# Altium PCB board.PcbDoc (part 1 of 2) (continued)
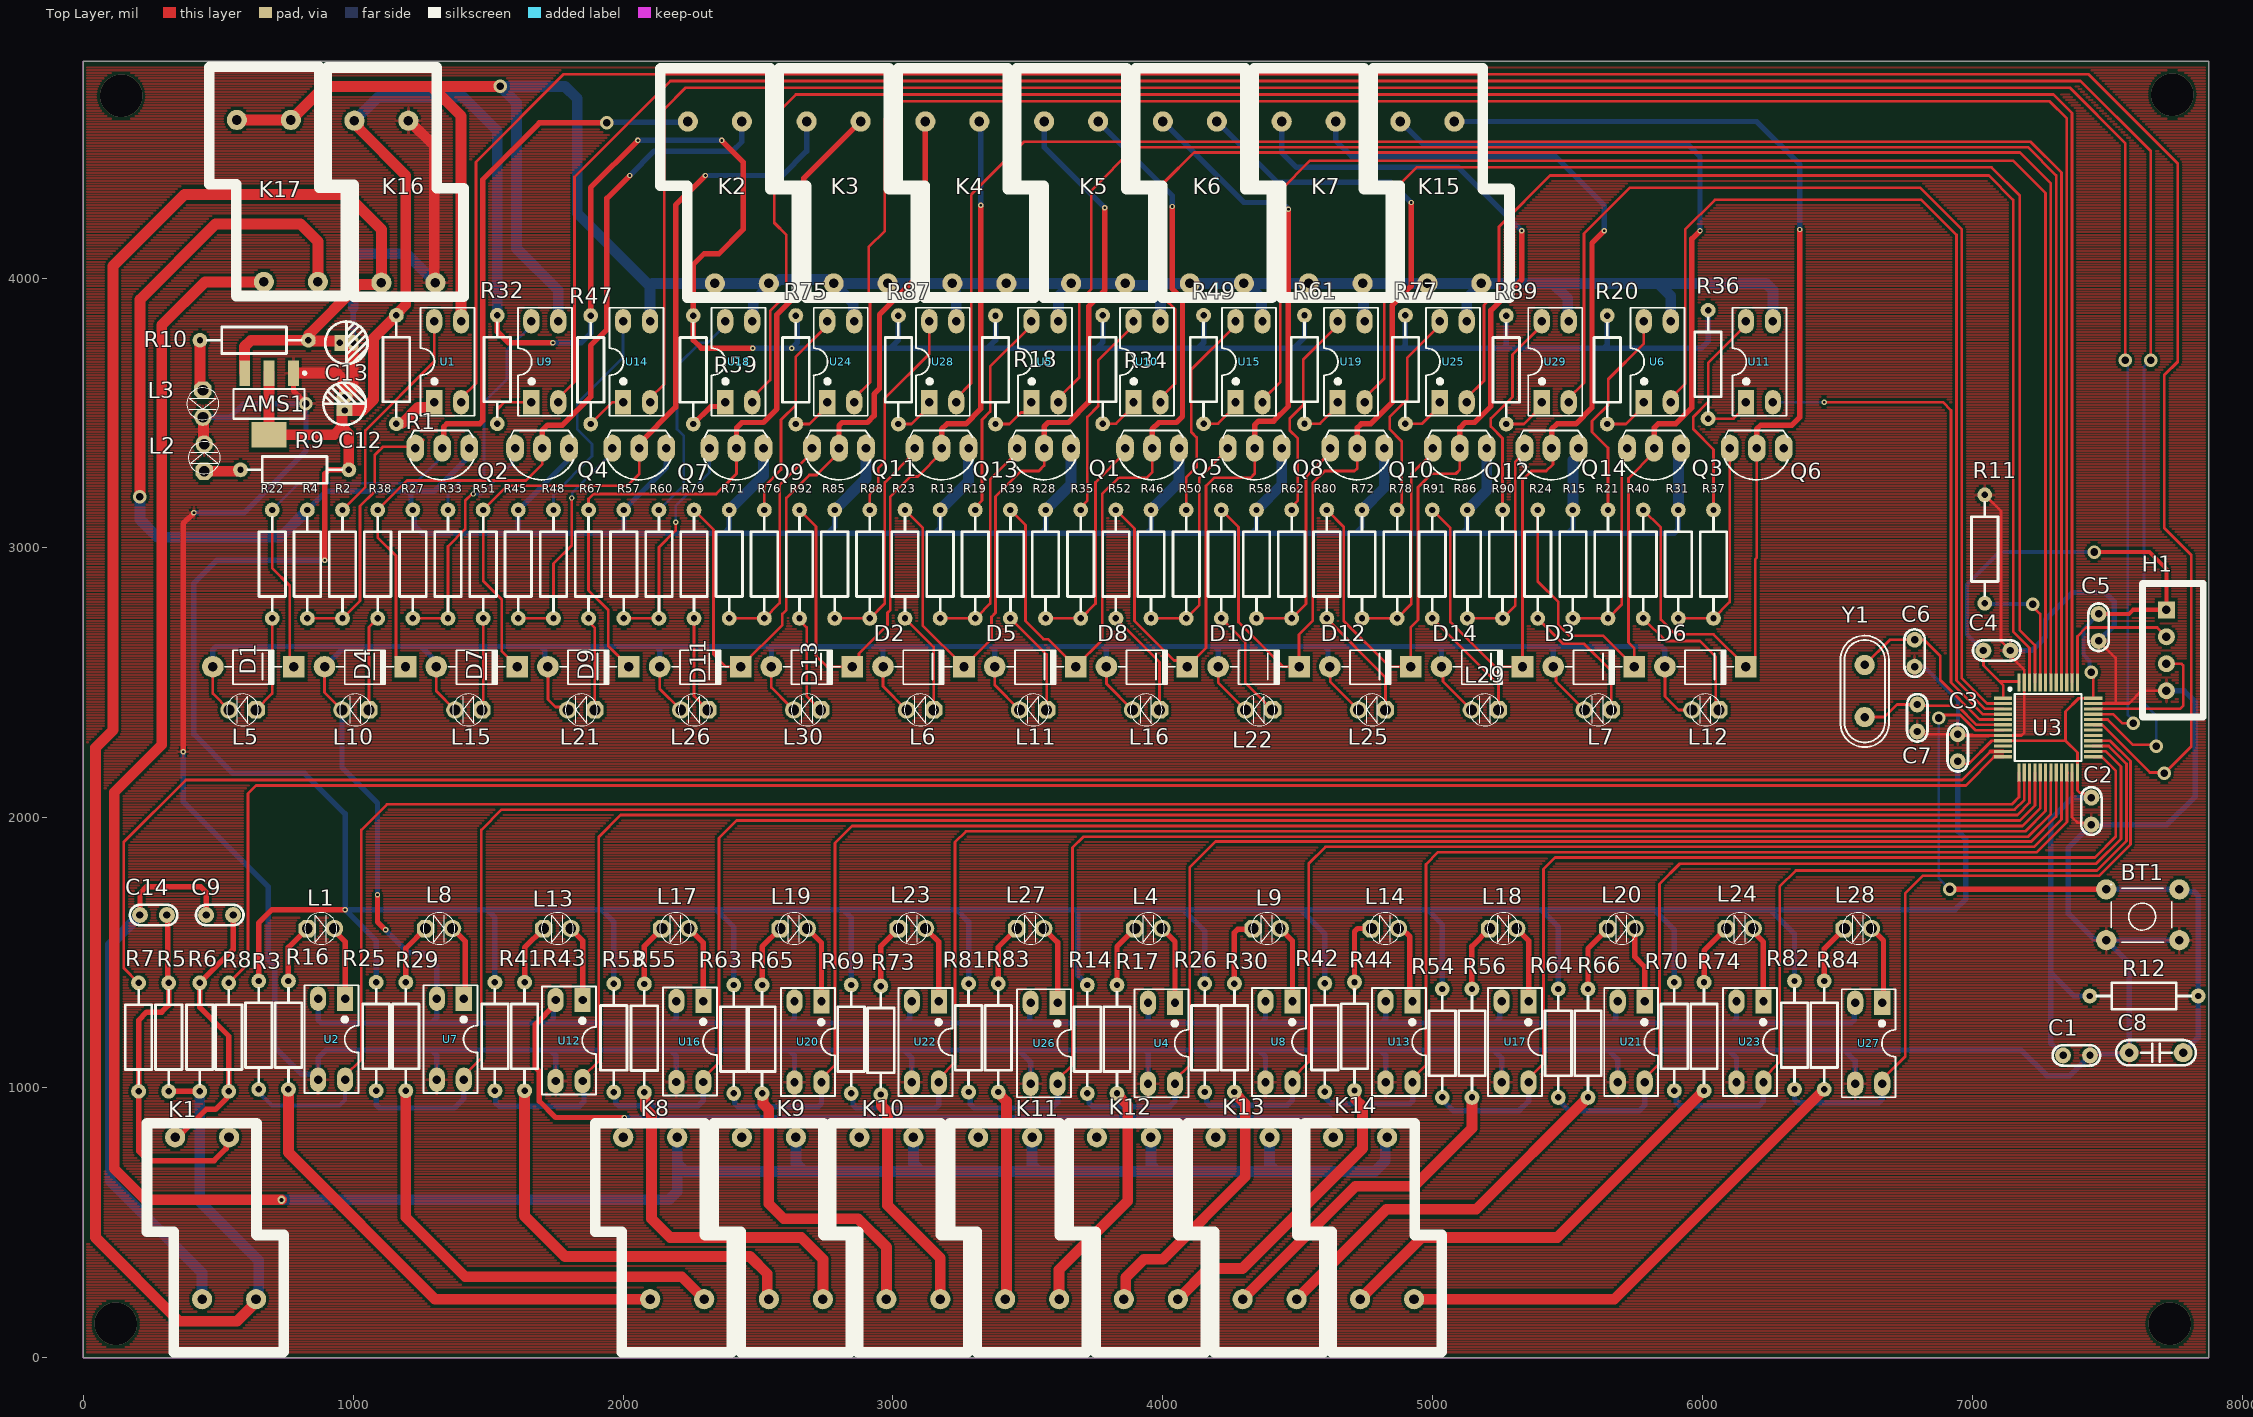
[diagram p0: Top Layer view]
## Components (designator, comment, footprint, x,y, rotation, side; value= is the part's Value field where it differs from the comment) (continued)
R74 "1.8k" "tro vach 1/4w" 6005,1190 r90 top
R75 "470R" "tro vach 1/4w" 2640,3660 r270 top
R76 "10k" "tro vach 1/4w" 2523.41,2940 r270 top
R77 "470R" "tro vach 1/4w" 4898.46,3661.15 r270 top
R78 "10k" "tro vach 1/4w" 4867.8,2940 r270 top
R79 "2.2k" "tro vach 1/4w" 2262.93,2940 r90 top
R80 "2.2k" "tro vach 1/4w" 4607.32,2940 r90 top
R81 "1k" "tro vach 1/4w" 3280,1185 r90 top
R82 "1k" "tro vach 1/4w" 6340,1195 r90 top
R83 "1.8k" "tro vach 1/4w" 3390,1185 r90 top
R84 "1.8k" "tro vach 1/4w" 6450,1195 r90 top
R85 "100k" "tro vach 1/4w" 2783.9,2940 r90 top
R86 "100k" "tro vach 1/4w" 5128.29,2940 r90 top
R87 "470R" "tro vach 1/4w" 3020,3660 r270 top
R88 "10k" "tro vach 1/4w" 2914.15,2940 r270 top
R89 "470R" "tro vach 1/4w" 5272.31,3660 r270 top
R90 "10k" "tro vach 1/4w" 5258.54,2940 r270 top
R91 "2.2k" "tro vach 1/4w" 4998.05,2940 r90 top
R92 "2.2k" "tro vach 1/4w" 2653.66,2940 r90 top
U1 "PC817" DIP4 1300,3540 r0 top
U2 "PC817" DIP4 970,1330 r180 top
U3 "STM32F103C8T6" LQFP-48_19.6_393_58X11_SMD 7280,2335 r0 top
U4 "PC817" DIP4 4045,1315 r180 top
U5 "PC817" DIP4 3512.73,3540 r0 top
U6 "PC817" DIP4 5781.82,3540 r0 top
U7 "PC817" DIP4 1410,1330 r180 top
U8 "PC817" DIP4 4480,1320 r180 top
U9 "PC817" DIP4 1660,3540 r0 top
U10 "PC817" DIP4 3890.91,3540 r0 top
U11 "PC817" DIP4 6160,3540 r0 top
U12 "PC817" DIP4 1850,1325 r180 top
U13 "PC817" DIP4 4925,1320 r180 top
U14 "PC817" DIP4 2000,3540 r0 top
U15 "PC817" DIP4 4269.09,3540 r0 top
U16 "PC817" DIP4 2297.46,1321.19 r180 top
U17 "PC817" DIP4 5355,1320 r180 top
U18 "PC817" DIP4 2378.18,3540 r0 top
U19 "PC817" DIP4 4647.27,3540 r0 top
U20 "PC817" DIP4 2735,1320 r180 top
U21 "PC817" DIP4 5785,1320 r180 top
U22 "PC817" DIP4 3170,1320 r180 top
U23 "PC817" DIP4 6225,1320 r180 top
U24 "PC817" DIP4 2756.36,3540 r0 top
U25 "PC817" DIP4 5025.45,3540 r0 top
U26 "PC817" DIP4 3610,1315 r180 top
U27 "PC817" DIP4 6665,1315 r180 top
U28 "PC817" DIP4 3134.55,3540 r0 top
U29 "PC817" DIP4 5403.64,3540 r0 top
Y1 "8Mhz" "Thach Anh 2 chan cam" 6600,2470 r90 top value=4Mhz

## Footprints (in the part's own frame and the unit in brackets; to place one, negate y for a bottom-side part, rotate by r counter-clockwise, add the part's x,y. Pads: shape width x height; smd on the part's side, far side on the other; paste and mask are expansions set on the pad)
"DIODE 1A" [mil] "Diode 1A"
  round 80 hole 35: 1(-50,0)
  rect 80x80 hole 35: 2(-350,0)
  silkscreen extent -305,-61 -95,65, body extent -366,-61 -34,65, height 122
DIP4 [mil]
  rect 60x90 hole 31: 1(0,0)
  oval 60x90 hole 31: 2(100,0) 3(100,300) 4(0,300)
  silkscreen extent -50,-50 150,350, body extent -59,-10 159,305, height 170
KF128HL_2P [mm]
  round 1.9 hole 0.9 mask+0.1: 1(0,0) 2(0,-5.08) 3(15.24,2.54) 4(15.24,-2.54)
  silkscreen extent -1.32,-7.72 20.24,5.16, body extent -1.1,-7.92 20.2,5.38, height 25.4
LED-3MM-GREEN [mil]
  oct 65x65 hole 40: 1(0,0)
  round 65 hole 40: 2(100,0)
  silkscreen extent -9,-59 109,59, body extent -15,-70 112,60, height 182
LED-3MM-RED [mil]
  oct 65x65 hole 40: 1(0,0)
  round 65 hole 40: 2(100,0)
  silkscreen extent -9,-59 109,59, body extent -27,-77 117,80, height 181
LQFP-48_19.6_393_58X11_SMD [mm] "48LQFP"
  rect 1.7x0.3 smd mask+0.076: 1(-4.238,2.75) 2(-4.238,2.25) 4(-4.238,1.25) 5(-4.238,0.75) 6(-4.238,0.25) 7(-4.238,-0.25) 8(-4.238,-0.75) 9(-4.238,-1.25) 10(-4.238,-1.75) 11(-4.238,-2.25) 12(-4.238,-2.75) 25(4.238,-2.75) 26(4.238,-2.25) 27(4.238,-1.75) 28(4.238,-1.25) 29(4.238,-0.75) 30(4.238,-0.25) 31(4.238,0.25) 32(4.238,0.75) 33(4.238,1.25) 34(4.238,1.75) 35(4.238,2.25) 36(4.238,2.75)
  rect 1.7x0.3 smd mask+0.102: 3(-4.238,1.75)
  rect 0.3x1.7 smd mask+0.076: 13(-2.75,-4.238) 14(-2.25,-4.238) 15(-1.75,-4.238) 16(-1.25,-4.238) 17(-0.75,-4.238) 18(-0.25,-4.238) 19(0.25,-4.238) 20(0.75,-4.238) 21(1.25,-4.238) 22(1.75,-4.238) 23(2.25,-4.238) 24(2.75,-4.238) 37(2.75,4.238) 38(2.25,4.238) 39(1.75,4.238) 40(1.25,4.238) 41(0.75,4.238) 42(0.25,4.238) 43(-0.25,4.238) 44(-0.75,4.238) 45(-1.25,4.238) 46(-1.75,4.238) 47(-2.25,4.238) 48(-2.75,4.238)
  silkscreen extent -3.72,-3.15 3.15,3.72, body extent -4.5,-4.5 4.5,4.5, height 1.7
"Nut Nhan 4 Chan Cam 6x6" [mil] "SW button 4pin, 250 x250 mil"
  round 75 hole 31: 1(-13,-8) 1(258,-8) 2(-13,-196) 2(258,-196)
  silkscreen extent 15,-215 240,0, body extent -31,-225 281,19, height 276
SOT223 [mm]
  rect 1x2.4 smd: 1(-2.3,-2.9) 2(0,-2.9) 3(2.3,-2.9)
  rect 3.3x2.4 smd: 4(0,2.9)
  silkscreen extent -3.48,-3.02 3.35,1.4, body extent -3.25,-3.56 3.25,3.4, height 1.68
"Thach Anh 2 chan cam" [mm]
  round 1.905 hole 0.8: 1(-2.45,0) 2(2.45,0)
  silkscreen extent -5.28,-2.29 5.21,2.29, body extent -5.68,-2.36 5.68,2.29, height 3.5
TO92-123 [mil] "TO-92"
  oval 66x100 hole 32: 1(-100,0) 2(0,0) 3(100,0)
  silkscreen extent -117,-65 120,118, body extent -109,-66 109,95, height 245
"tro vach 1/4w" [mm]
  round 1.4 hole 0.6: 1(-5.1,0) 2(5.1,0)
  silkscreen extent -4.39,-1.25 4.42,1.25, body extent -5.38,-1.2 5.38,1.2, height 2.41
"tu gom" [mm] "Tu gom mini"
  round 1.5 hole 0.7: 1(-1.27,0) 2(1.27,0)
  silkscreen extent -2.25,-0.97 2.22,0.97, body extent -2.92,-0.85 2.92,0.85, height 6.12
"tu hoa 4mm" [mm]
  rect 1x1.5 hole 0.6: 1(-0.635,0)
  oval 1x1.5 hole 0.6: 2(0.635,0)
  silkscreen extent -2,-2 2.01,2.01, body extent -2.47,-2.47 2.58,2.58, height 14.81
"tu tantalum dip5.08" [mm]
  round 1.8 hole 0.8: 1(-2.54,0) 2(2.54,0)
  silkscreen extent -3.74,-1.2 3.76,1.2, body extent -2.82,-1.08 2.77,1.08, height 6.27
XH2.54M-4 [mm]
  rect 1.6x1.6 hole 0.8: 1(0,0)
  round 1.6 hole 0.8: 2(2.54,0) 3(5.08,0) 4(7.62,0)
  silkscreen extent -2.48,-2.26 10.1,3.46, body extent -2.48,-2.26 10.1,3.48, height 6.91

## Part data
AMS1: library part "AMS1117 SMD", "Dán", Chung_Loai=Dán, Don_Vi=Con, Ma_Hang=MH000596
BT1: "Nut Nhan 4 Chan 6x6mm", Ma_Hang=MH004584, Ten="Nút Nhấn 4 Chân 6x6x5MM DIP"
C1 C2 C3 C4 C5 C9 C14: library part "Tu gom 104 50V", "Cắm", Chung_Loai=Cắm, Don_Vi=Con, Ma_Hang=MH004761, So_Chan=2, Ten_Linh_Kien="Tụ gốm 104 100nF 50V"
C6 C7: library part "Tu gom 22pF 50V", "Cắm", Chung_Loai=Cắm, Don_Vi=Con, Ma_Hang=MH004771, So_Chan=2, Ten_Linh_Kien="Tụ gốm 22P 50V"
C8: library part "Tu tantalum 1uF DIP5.08", "Cắm", Chung_Loai=Cắm, Don_Vi=Con, Ma_Hang=MH007470, So_Chan=2, Ten_Linh_Kien="Tụ tantalum 105-1uF DIP5.08 sứ vàng"
C12 C13: library part "Tu Hoa 10uF 25V 4x7", "Cắm", Chung_Loai=Cắm, Don_Vi=Con, Ma_Hang=MH001349, So_Chan=2, Ten_Linh_Kien="Tụ Hóa 10uF 25V 4x7MM"
D1 D2 D3 D4 D5 D6 D7 D8 D9 D10 D11 D12 D13 D14: library part "Diode 1N4007", "Cắm", Chung_Loai=Cắm, Don_Vi=Con, Ma_Hang=MH001063, Ten_Linh_Kien="Diode 1N4007 1A (DIP)"
H1: "Cắm", Chung_Loai=Cắm, Don_Vi=Con, Ma_Hang=MH001285, Ten_Linh_Kien="Header 4P XH2.54-4P Đực Thẳng"
K1 K2 K3 K4 K5 K6 K7 K8 K9 K10 K11 K12 K13 K14 K15 K16 K17: library part KF128HL_2P
L1 L4 L5 L6 L7 L8 L9 L10 L11 L12 L13 L14 L15 L16 L17 L18 L19 L20 L21 L22 L23 L24 L25 L26 L27 L28 L29 L30: library part "LED 3mm Xanh La", "Cắm", Chung_Loai=Cắm, Don_Vi=Con, Ma_Hang=MH001054, Ten_Linh_Kien="Led 3MM Phủ Xanh (10c)"
L2 L3: library part "LED 3mm Do", "Cắm", Chung_Loai=Cắm, Don_Vi=Con, Ma_Hang=MH003892, Ten_Linh_Kien="Led 3MM Phủ Đỏ (10c)"
Q1 Q2 Q3 Q4 Q5 Q6 Q7 Q8 Q9 Q10 Q11 Q12 Q13 Q14: library part 2SA1015, "PNP 600mW, ECB"
R1 R18 R20 R32 R34 R36 R47 R49 R59 R61 R75 R77 R87 R89: library part "Tro Vach 1/4W 5% 470R", "Cắm", Chung_Loai=Cắm, Don_Vi=Con, Ma_Hang=MH007320, So_Chan=2, Ten_Linh_Kien="Trở Vạch 1/4w 5% 470R"
R2 R5 R6 R7 R8 R19 R21 R33 R35 R37 R48 R50 R60 R62 R76 R78 R88 R90: library part "Tro Vach 1/4W 5% 10k", "Căm", Chung_Loai=Cắm, Don_Vi=Con, Ma_Hang=MH007354, So_Chan=2, Ten_Linh_Kien="Trở Vạch 1/4w 5% 10K"
R3 R9 R10 R14 R25 R26 R41 R42 R53 R54 R63 R64 R69 R70 R81 R82: library part "Tro Vach 1/4W 5% 1k", "Cắm", Chung_Loai=Cắm, Don_Vi=Con, Ma_Hang=MH007390, So_Chan=2, Ten_Linh_Kien="Trở Vạch 1/4w 5% 1k"
R4 R13 R15 R27 R28 R31 R45 R46 R57 R58 R71 R72 R85 R86: library part "Tro Vach 1/4W 5% 100k", "Cắm", Chung_Loai=Cắm, Don_Vi=Con, Ma_Hang=MH007352, So_Chan=2, Ten_Linh_Kien="Trở Vạch 1/4w 5% 100k"
R11 R12: library part "Tro Vach 1/4W 1% 10k", "Cắm", Chung_Loai=Cắm, Don_Vi=Con, Ma_Hang=MH006349, So_Chan=2, Ten_Linh_Kien="Trở Vạch 1/4w 1% 10k"
R16 R17 R29 R30 R43 R44 R55 R56 R65 R66 R73 R74 R83 R84: library part "Tro Vach 1/4W 5% 1.8k", "Cắm", Chung_Loai=Cắm, Don_Vi=Con, Ma_Hang=MH007285, So_Chan=2, Ten_Linh_Kien="Trở Vạch 1/4w 5% 1.8k"
R22 R23 R24 R38 R39 R40 R51 R52 R67 R68 R79 R80 R91 R92: library part "Tro Vach 1/4W 5% 2.2k", "Cắm", Chung_Loai=Cắm, Don_Vi=Con, Ma_Hang=MH007293, So_Chan=2, Ten_Linh_Kien="Trở Vạch 1/4w 5% 2.2k"
U1 U2 U4 U5 U6 U7 U8 U9 U10 U11 U12 U13 U14 U15 U16 U17 U18 U19 U20 U21 U22 U23 U24 U25 U26 U27 U28 U29: "Single Opto"
U3: library part IC_STM32F103C8T6, "ARM® Cortex®-M3 STM32F1 Microcontroller IC 32-Bit 72MHz 64KB (64K x 8) FLASH 48-LQFP (7x7)", Alternate Part Number-1=NA, Case/Package=LQFP48, Manufacturer=STMicroelectronics, Manufacturer Part Number=STM32F103C8T6, Supplier Part Number-1=STM32F103C8T6, Supplier-1=LCSC
Y1: library part "Thach Anh 2 chan Cam", "Crystal For all Crystal 2pin."

## Via types
v1: diameter 20, hole 10, Top Layer to Bottom Layer, 27 vias
v2: diameter 50, hole 28, Top Layer to Bottom Layer, 14 vias
v3: diameter 157.48, hole 157.48, Top Layer to Bottom Layer, 4 vias
v4: diameter 30, hole 15, Top Layer to Bottom Layer, 1 vias

## Nets (pads, with @x,y where several pads share a name; then routed paths per layer and width w, separated by ;. In a path a pad name is that pad's centre, name@x,y a point inside that pad or via, vN(x,y) a via of type N, cw(c..) or ccw(c..) an arc to the next point about the centre after c; other vN are vias at no path point)
3V3: AMS1.2 AMS1.4 C1.1 C2.1 C3.1 C4.1 C5.1 C12.1 H1.1 K16.3 R1.1 R3.2 R9.2 R12.2 R14.2 R18.1 R20.1 R25.2 R26.2 R32.1 R34.1 R36.1 R41.2 R42.2 R47.1 R49.1 R53.2 R54.2 R59.1 R61.1 R63.2 R64.2 R69.2 R70.2 R75.1 R77.1 R81.2 R82.2 R87.1 R89.1 U3.1 U3.9 U3.24 U3.36 U3.48 | length 28775.6
  Top Layer w10: C3.1@6922.42,2215.89 C3.1@6945,2215.89 ; C3.1@6935,2225 6939.69,2225 6964.69,2200 6985,2200 7070.79,2285.79 U3.9@7113.15,2285.79 7344.21,2285.79 ; C4.1@7040,2620 7040,2565 7100,2505 ; U3.1@7113.15,2443.27 7113.15,2491.85 7100,2505 ; U3.48@7171.73,2501.85 7171.73,2503.41 7170.14,2505 7100,2505 ; C2.1@7428.08,2075 7410.13,2092.95 7397.05,2092.95 7388.27,2101.73 U3.24@7388.27,2168.15 7388.27,2241.73 7344.21,2285.79 ; v2@7446.85,2533.15 U3.36@7446.85,2443.27 7393.27,2443.27 7344.21,2394.21 7344.21,2285.79
  Top Layer w15: C2.1@7428.08,2075 C2.1@7440,2075 ; v2(7440,2540) v2@7446.85,2533.15 ; v2(7450,2985) 7655,2985 7718,2922 H1.1@7718,2771 7594.13,2771 7578.57,2755.44 C5.1@7466.77,2755.44
  Top Layer w20: R3.2@650,1395.79 650,1610 700,1660 v1(970,1660) ; v1(895,2955) 895,3275 909.48,3289.48 R9.2@983.93,3289.48 ; R32.1@1533.85,3861.94 1533.85,3801.15 1575,3760 v1(1740,3760) ; R47.1@1880,3860.79 1880,4335 v1(2055,4510) ; v1(2365,4510) 2445,4430 2445,4180 2355,4090 2300,4090 2260,4050 R59.1@2260,3860.79 2260,3770 2290,3740 v1(2480,3740)
  Top Layer w40: AMS1.2@688.14,3647.83 AMS1.4@688.14,3419.48 929.48,3419.48 958.61,3448.61 ; R9.2@983.93,3289.48 983.93,3423.3 958.61,3448.61 ; K16.3@1004.73,4583 1004.73,4573.58 1022.13,4556.18 1022.13,4552.87 1195,4380 1195,3901.03 1160,3866.03 R1.1@1160,3861.94 1075,3776.94 1075,3550 1034.48,3509.48 958.93,3509.48 958.61,3509.17 958.61,3448.61
  Bottom Layer w15: C4.1@7040,2620 6980,2680 6980,2865 7100,2985 v2(7450,2985) ; v2(7440,2540) 7433.3,2546.7 7433.3,2581.7 7410,2605 7410,2698.67 C5.1@7466.77,2755.44
  Bottom Layer w20: v1(895,2955) 495,2955 410,2870 410,2310 555,2165 820,2165 970,2015 v1(970,1660) ; R25.2@1085,1390.79 1085,1545 v1(970,1660) ; R41.2@1525,1390.79 1525,1630 1495,1660 ; v1(1740,3760) 1845,3760 1880,3795 R47.1@1880,3860.79 ; R53.2@1965.59,1385.45 1965.59,1614.41 1920,1660 ; v1(2055,4510) v1(2365,4510) ; R63.2@2410,1380.79 2410,1595 2345,1660 ; v1(2480,3740) v1(2625,3740) ; R75.1@2640,3860.79 2645,3855.79 2645,3760 v1(2625,3740) ; R69.2@2845,1380.79 2845,1630 2815,1660 ; R87.1@3020,3860.79 3020,3770 2990,3740 ; R81.2@3280,1385.79 3280,1615 3235,1660 ; R18.1@3380,3860.79 3380,3770 3350,3740 ; R14.2@3720,1380.79 3685,1415.79 3685,1660 ; R34.1@3776.92,3861.94 3776.92,3761.92 3755,3740 ; R49.1@4150.77,3861.94 4150.77,3760.77 4130,3740 ; R26.2@4155,1385.79 4155,1580 4075,1660 ; R61.1@4524.61,3861.94 4524.61,3779.61 4485,3740 ; R42.2@4600,1365.79 4600,1570 4510,1660 ; R77.1@4898.46,3861.94 4898.46,3751.72 4886.75,3740 ; R54.2@5035,1365.79 5035,1605 4980,1660 ; R89.1@5272.31,3860.79 5272.31,3752.31 5260,3740 ; R64.2@5465,1365.79 5465,1595 5400,1660 ; R20.1@5646.15,3860.79 5646.15,3751.72 5634.44,3740 ; R70.2@5895,1390.79 5895,1585 5820,1660 ; R36.1@6020,3880.79 6020,3765 5995,3740 5634.44,3740 ; R82.2@6340,1395.79 6340,1570 6250,1660 ; C3.1@6945,2210 6945,1950.57 6975,1920.57 6975,1700 6935,1660 6250,1660 ; C1.1@7335,1120 7325,1120 7325,1130 7290,1165 7290,1425 ; R12.2@7434.21,1340 7375,1340 7290,1425 ; C2.1@7440,2075 7370,2075 7290,1995 7290,1425 ; v1(970,1660) 1495,1660 ; 1495,1660 1920,1660 ; 1920,1660 2345,1660 ; 2345,1660 2815,1660 ; v1(2625,3740) 2990,3740 ; 2815,1660 3235,1660 ; 2990,3740 3350,3740 ; 3235,1660 3685,1660 ; 3350,3740 3755,3740 ; 3685,1660 4075,1660 ; 3755,3740 4130,3740 ; 4075,1660 4510,1660 ; 4130,3740 4485,3740 ; 4485,3740 4886.75,3740 ; 4510,1660 4980,1660 ; 4886.75,3740 5260,3740 ; 4980,1660 5400,1660 ; 5260,3740 5634.44,3740 ; 5400,1660 5820,1660 ; 5820,1660 6250,1660
  Bottom Layer w40: K16.3@1004.73,4583 1091.73,4670 1410,4670 1533.85,4546.15 R32.1@1533.85,3861.94
5V: AMS1.3 C13.1 K1.3 K16.1 R5.2 R6.2 R10.2 | length 7560.4
  Top Layer w20: R5.2@316.43,986.95 R6.2@431.43,986.95
  Top Layer w40: AMS1.3@597.59,3647.83 597.59,3746.05 621.02,3769.48 R10.2@833.93,3769.48 ; K1.3@651.11,218.38 622.6,189.87 622.6,187.6 570,135 355,135 45,445 45,2260 110,2325 110,4045 375,4310 975,4310 1104.72,4180.27 K16.1@1104.72,3983 1098.07,3976.34 1016.34,3976.34 ; C13.1@950,3760 950,3766.27 949.69,3766.59 836.82,3766.59 R10.2@833.93,3769.48 ; 1011.34,3966.34 836.82,3791.82 836.82,3772.37 R10.2@833.93,3769.48
  Bottom Layer w40: R6.2@431.43,986.95 431.43,578.57 650,360 650,251.29 646.66,247.95 646.66,220.45 K1.3@650,217.11
24V_IN: K8.1 K9.1 K10.1 K11.1 K12.1 K13.1 K14.1 K17.1 | length 9420.2
  Top Layer w40: K17.1@669.15,3985.66 450.66,3985.66 290.66,3825.66 290.66,2270.66 115,2095 115,700 230,585 v4(735,585)
  Bottom Layer w40: v4(735,585) 2170,585 2200.72,615.72 2200.72,719.28 ; K8.1@2200.43,816.69 2200.72,816.4 2200.72,719.28 ; K9.1@2640.43,816.69 2640.72,816.4 2640.72,719.28 2670,690 ; K10.1@3075.43,816.69 3075.72,816.4 3075.72,719.28 3105,690 ; K11.1@3515.43,816.69 3515.43,714.57 3540,690 ; K12.1@3955.43,816.69 3955.43,713.43 3978.86,690 ; K13.1@4395.43,816.69 4395.43,714.57 4420,690 ; K14.1@4830.43,816.69 4823.77,810.03 4823.77,728.77 4785,690 4420,690 ; 2200.72,719.28 2230,690 2670,690 ; 2670,690 3105,690 ; 3105,690 3540,690 ; 3540,690 3978.86,690 ; 3978.86,690 4420,690
24V_OUT: K17.2 Q1.1 Q2.1 Q3.1 Q4.1 Q5.1 Q6.1 Q7.1 Q8.1 Q9.1 Q10.1 Q11.1 Q12.1 Q13.1 Q14.1 R4.2 R13.2 R15.2 R27.2 R28.2 R31.2 R45.2 R46.2 R57.2 R58.2 R71.2 R72.2 R85.2 R86.2 | length 12339.6
  Top Layer w40: v2(210,3190) 210,3920 490,4200 805,4200 869.15,4135.85 K17.2@869.15,3985.66
  Bottom Layer w20: R4.2@830.24,3140.79 899.46,3210 1200,3210 ; Q2.1@1430,3370 1430,3340.55 1411.95,3322.5 1411.95,3321.95 1360.6,3270.6 1300,3210 1200,3210 ; Q4.1@1800,3370 1791.2,3361.2 1791.2,3320.28 R45.2@1611.71,3140.79 1611.71,3066.72 1599.99,3055 ; Q7.1@2160,3370 2160,3298.35 R57.2@2002.44,3140.79 2002.44,3072.44 1985,3055 ; R71.2@2393.17,3140.79 2393.17,3073.17 2375,3055 ; R85.2@2783.9,3140.79 2783.9,3078.9 2760,3055 ; R13.2@3174.63,3140.79 3174.63,3074.63 3155,3055 ; R28.2@3565.37,3140.79 3565.37,3070.37 3550,3055 ; R46.2@3956.1,3140.79 3956.1,3071.1 3940,3055 ; R58.2@4346.83,3140.79 4346.83,3071.83 4330,3055 ; R72.2@4737.56,3140.79 4737.56,3077.56 4715,3055 ; R86.2@5128.29,3140.79 5128.29,3073.29 5110,3055 ; R15.2@5519.02,3140.79 5519.02,3074.02 5500,3055 ; R31.2@5909.76,3140.79 5909.76,3069.76 5895,3055 5500,3055 ; 1200,3210 1214.26,3195.74 1214.26,3147.51 R27.2@1220.98,3140.79 1226.77,3134.99 1226.77,3083.23 1255,3055 1599.99,3055 ; 1599.99,3055 1985,3055 ; 1985,3055 2375,3055 ; 2375,3055 2760,3055 ; 2760,3055 3155,3055 ; 3155,3055 3550,3055 ; 3550,3055 3940,3055 ; 3940,3055 4330,3055 ; 4330,3055 4715,3055 ; 4715,3055 5110,3055 ; 5110,3055 5500,3055
  Bottom Layer w40: v2(210,3190) 210,3105 275,3040 729.46,3040 R4.2@830.24,3140.79 ; R71.2@2393.17,3140.79 2520,3267.62 Q9.1@2520,3370 ; R85.2@2783.9,3140.79 2900,3256.89 Q11.1@2900,3370 ; R13.2@3174.63,3140.79 3280,3246.15 Q13.1@3280,3370 ; R28.2@3565.37,3140.79 3660,3235.42 Q1.1@3660,3370 ; R46.2@3956.1,3140.79 4060,3244.69 Q5.1@4060,3370 ; R58.2@4346.83,3140.79 4440,3233.96 Q8.1@4440,3370 ; R72.2@4737.56,3140.79 4820,3223.23 Q10.1@4820,3370 ; R86.2@5128.29,3140.79 5200,3212.49 Q12.1@5200,3370 ; R15.2@5519.02,3140.79 5519.02,3324.99 5540,3345.96 Q14.1@5540,3370 ; R31.2@5909.76,3140.79 5909.76,3335.72 5920,3345.96 Q3.1@5920,3370
A: C14.1 K1.1 R5.1 R7.1 | length 1373.5
  Top Layer w20: C14.1@310,1640 313.21,1636.79 313.21,1391.74 R5.1@316.43,1388.53 316.43,1306.43 290,1280 235,1280 205,1250 R7.1@205,986.95 205,765 240,730 485,730 529.51,774.51 529.51,791.37 548.14,810 K1.1@565,810
B: C9.1 K1.2 R6.1 R8.1 | length 1032.6
  Top Layer w20: K1.2@340.74,805.74 455,920 490,920 532.28,962.28 532.28,980.23 R8.1@539,986.95 539,1191 431.43,1298.57 R6.1@431.43,1388.53 555,1512.1 C9.1@555,1640
EN_A: R7.2 U3.11 | length 7646.8
  Top Layer w10: R7.2@205,1388.53 150,1443.53 150,1910 380,2140 6960,2140 7066.42,2246.42
  Top Layer w15: 7066.42,2246.42 U3.11@7113.15,2246.42
EN_B: R8.2 U3.12 | length 7290.7
  Top Layer w10: R8.2@539,1388.53 610,1459.53 610,2090 640,2120 6975,2120 U3.12@7081.73,2226.73
  Top Layer w15: U3.12@7081.73,2226.73 U3.12@7113.15,2226.73
GND33: C9.2 C14.2 K1.4 | length 2032.6
  Top Layer w20: C14.2@210,1640 210,1720 235,1745 435,1745 455,1725 C9.2@455,1640
  Bottom Layer w40: C14.2@210,1640 100,1530 100,655 440,315 K1.4@440,222.39
GND_24: D1.1 D2.1 D3.1 D4.1 D5.1 D6.1 D7.1 D8.1 D9.1 D10.1 D11.1 D12.1 D13.1 D14.1 K2.1 K2.2 K3.1 K3.2 K4.1 K4.2 K5.1 K5.2 K6.1 K6.2 K7.1 K7.2 K8.2 K9.2 K10.2 K11.2 K12.2 K13.2 K14.2 K15.1 K15.2 K17.3 K17.4 L5.2 L6.2 L7.2 L10.2 L11.2 L12.2 L15.2 L16.2 L21.2 L22.2 L25.2 L26.2 L29.2 L30.2 U1.3 U2.2 U4.2 U5.3 U6.3 U7.2 U8.2 U9.3 U10.3 U11.3 U12.2 U13.2 U14.3 U15.3 U16.2 U17.2 U18.3 U19.3 U20.2 U21.2 U22.2 U23.2 U24.3 U25.3 U26.2 U27.2 U28.3 U29.3 | length 31466
  Top Layer w10: D1.1@480,2560 480,2460 L5.2@540,2400 ; D4.1@893.85,2560 893.85,2464.62 L10.2@958.46,2400 ; D7.1@1307.69,2560 1307.69,2469.23 L15.2@1376.92,2400 ; D9.1@1721.54,2560 1721.54,2438.46 1749.48,2410.52 1784.86,2410.52 L21.2@1795.38,2400 ; D11.1@2135.38,2560 2135.38,2478.46 L26.2@2213.85,2400 ; D13.1@2549.23,2560 2549.23,2483.08 2615,2417.31 2615,2400 L30.2@2632.31,2400 ; D2.1@2963.08,2560 2963.08,2487.69 L6.2@3050.77,2400 ; D5.1@3376.92,2560 3376.92,2492.31 L11.2@3469.23,2400 ; D8.1@3790.77,2560 3790.77,2496.92 L16.2@3887.69,2400 ; D10.1@4204.61,2560 4204.61,2501.54 L22.2@4306.15,2400 ; D12.1@4618.46,2560 4619.61,2558.85 4619.61,2505 L25.2@4724.61,2400 ; D14.1@5032.31,2560 5038.08,2554.23 5038.08,2505 L29.2@5143.08,2400 ; D3.1@5446.15,2560 5456.54,2549.62 5456.54,2505 L7.2@5561.54,2400 ; D6.1@5860,2560 5860,2450 5910,2400 L12.2@5960,2400
  Top Layer w20: v1(1090,1715) 1090,1615 v1(1120,1585) ; U12.2@1750,1325 1750,1310 1675,1235 1675,1075 1690,1060 1690,950 1750,890 v1(2005,890) 2000.43,885.43 K8.2@2000.43,816.69
  Top Layer w40: K17.3@569.15,4585.66 K17.4@769.15,4585.66 893.49,4710 1290,4710 ; U1.3@1400,3840 1400,4600 1290,4710 ; v2(1545,4710) 1290,4710
  Bottom Layer w10: D7.1@1307.69,2560 D7.1@1307.69,2578.94
  Bottom Layer w20: D1.1@480,2560 480,2623.28 491.72,2635 968.85,2635 ; U2.2@870,1330 870,1251.72 881.72,1240 1290,1240 ; D4.1@890,2556.15 D4.1@893.85,2560 968.85,2635 ; L10.2@958.46,2400 958.46,2186.54 1090,2055 v1(1090,1715) ; v1(1120,1585) 1205,1500 1260,1500 1310,1450 U7.2@1310,1330 1310,1260 1290,1240 ; D7.1@1307.69,2578.94 1251.63,2635 ; D9.1@1721.54,2560 1710.06,2571.48 1710.06,2619.94 1695,2635 ; U12.2@1750,1325 1742.35,1317.35 1742.35,1257.35 1725,1240 ; v1(2005,890) 2425,890 ; D11.1@2135.38,2560 2135.38,2623.28 2123.67,2635 ; U16.2@2197.46,1321.19 2197.46,1257.46 2180,1240 ; K9.2@2440.43,816.69 2436.72,820.4 2436.72,878.28 2425,890 ; D13.1@2549.23,2560 2550,2560.77 2550,2623.28 2538.28,2635 ; U20.2@2635,1320 2635,1255 2620,1240 ; K10.2@2875.43,816.69 2871.72,820.4 2871.72,878.28 2860,890 ; D2.1@2963.08,2560 2963.08,2623.28 2951.36,2635 ; U22.2@3070,1320 3062.35,1312.35 3062.35,1257.35 3045,1240 ; K11.2@3315.43,816.69 3311.72,820.4 3311.72,878.28 3300,890 ; D5.1@3376.92,2560 3376.92,2623.08 3365,2635 ; U26.2@3510,1315 3506.72,1311.72 3506.72,1251.72 3495,1240 ; K12.2@3755.43,816.69 3751.72,820.4 3751.72,878.28 3740,890 ; D8.1@3790.77,2560 3790.77,2623.28 3779.05,2635 ; U4.2@3945,1315 3945,1251.72 3933.28,1240 ; K13.2@4195.43,816.69 4195.43,878.28 4183.71,890 ; D10.1@4204.61,2560 4204.61,2623.28 4192.9,2635 ; U8.2@4380,1320 4380,1255 4365,1240 ; D12.1@4618.46,2560 4611.72,2566.75 4611.72,2623.28 4600,2635 ; K14.2@4630.43,816.69 4626.72,820.4 4626.72,878.28 4615,890 4183.71,890 ; U13.2@4825,1320 4825,1255 4810,1240 ; D14.1@5032.31,2560 5032.31,2623.28 5020.59,2635 ; U17.2@5255,1320 5247.35,1312.35 5247.35,1257.35 5230,1240 ; D3.1@5446.15,2560 5446.15,2623.28 5434.44,2635 ; U21.2@5685,1320 5677.35,1312.35 5677.35,1252.35 5665,1240 ; D6.1@5860,2560 5860,2623.28 5848.28,2635 5434.44,2635 ; U23.2@6125,1320 6125,1255 6110,1240 ; U27.2@6565,1315 6561.72,1311.72 6561.72,1251.72 6550,1240 6110,1240 ; 968.85,2635 1251.63,2635 ; 1251.63,2635 1695,2635 ; 1290,1240 1725,1240 ; 1695,2635 2123.67,2635 ; 1725,1240 2180,1240 ; 2123.67,2635 2538.28,2635 ; 2180,1240 2620,1240 ; 2425,890 2860,890 ; 2538.28,2635 2951.36,2635 ; 2620,1240 3045,1240 ; 2860,890 3300,890 ; 2951.36,2635 3365,2635 ; 3045,1240 3495,1240 ; 3300,890 3740,890 ; 3365,2635 3779.05,2635 ; 3495,1240 3933.28,1240 ; 3740,890 4183.71,890 ; 3779.05,2635 4192.9,2635 ; 3933.28,1240 4365,1240 ; 4192.9,2635 4600,2635 ; 4365,1240 4810,1240 ; 4600,2635 5020.59,2635 ; 4810,1240 5230,1240 ; 5020.59,2635 5434.44,2635 ; 5230,1240 5665,1240 ; 5665,1240 6110,1240
  Bottom Layer w40: U1.3@1400,3840 1400,3830.41 U1.3@1409.24,3821.17 ; U9.3@1756.17,3836.17 U9.3@1760,3840 1760,3955 1605,4110 1605,4649.79 1545,4709.79 v2(1545,4710) 1785,4710 1830,4665 1830,4240 2100,3970 ; U14.3@2100,3840 2100,3970 ; U18.3@2478.18,3840 2482.01,3843.83 2482.01,3912.59 2540,3970.58 K2.2@2540,3980 ; U24.3@2856.36,3840 2852.54,3843.83 2852.54,3907.46 K3.1@2780,3980 ; U28.3@3234.55,3840 3234.55,3942.72 3226.66,3950.6 3226.66,3973.34 K4.1@3220,3980 ; U5.3@3612.73,3840 3612.73,3932.73 K5.1@3660,3980 ; U10.3@3990.91,3840 3990.91,3934.09 3967.5,3957.5 ; U15.3@4369.09,3840 4365.26,3843.83 4365.26,3924.15 K6.2@4309.42,3980 ; U19.3@4747.27,3840 4743.64,3843.64 4743.64,3976.36 K7.2@4740,3980 ; U25.3@5125.45,3840 5125.45,3925.45 K15.2@5180,3980 ; U29.3@5503.64,3840 5499.81,3843.83 5499.81,3925.19 5445,3980 ; U6.3@5881.82,3840 5881.82,3933.18 5835,3980 ; U11.3@6260,3840 6260,3955 6235,3980 5835,3980 ; 2100,3970 2110,3980 K2.1@2340,3980 K2.2@2540,3980 ; K2.2@2540,3980 2546.66,3986.66 2571.27,3986.66 2579.61,3995 2755.58,3995 2770.58,3980 K3.1@2780,3980 ; K3.1@2780,3980 K3.2@2980,3980 K4.1@3220,3980 ; K4.1@3220,3980 K4.2@3420,3980 K5.1@3660,3980 ; K5.1@3660,3980 K5.2@3860,3980 3866.66,3973.34 3951.66,3973.34 3967.5,3957.5 ; 3967.5,3957.5 3990,3980 K6.1@4100,3980 K6.2@4300,3980 K6.2@4309.42,3980 ; K6.2@4309.42,3980 K7.1@4540,3980 K7.2@4740,3980 ; K7.2@4740,3980 K15.1@4980,3980 K15.2@5180,3980 ; K15.2@5180,3980 5445,3980 ; 5445,3980 5835,3980